# KiCad board motherboard-101.kicad_pcb (continued)
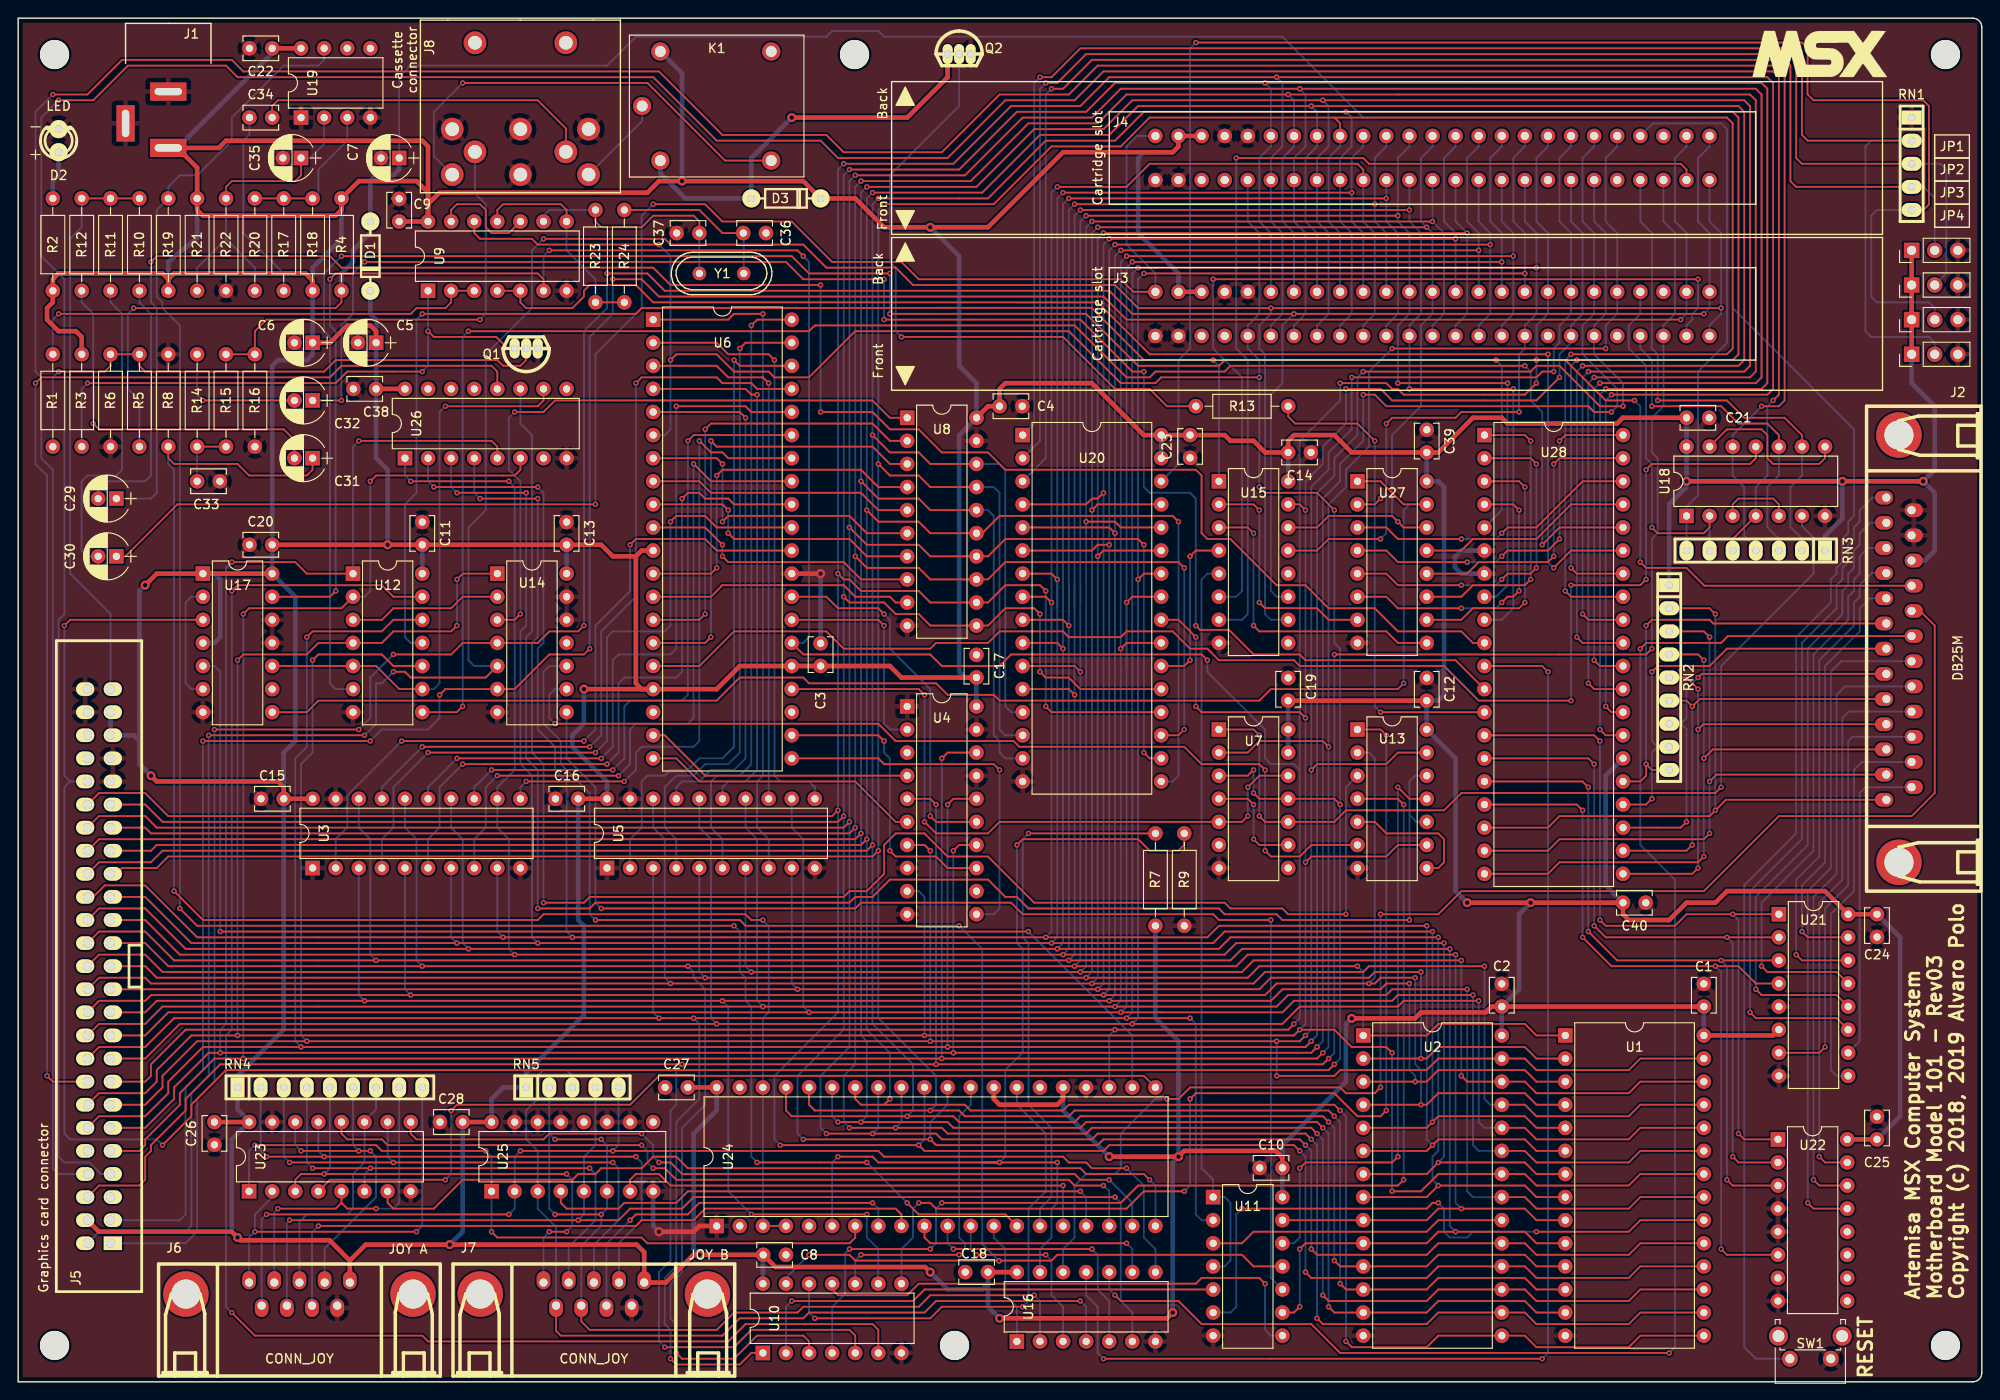
[diagram p0: board, top side]
## Routing (per net, layer and track width the routed paths; a pad name or vN(x,y) marks a point on that pad's centre or on a via; arc(x,y) is an arc through that point) (continued)
  Bottom w0.203: v1(24.77,35.56) v1(24.77,84.45) ; v1(143.51,36.19) 144.14,36.83 144.14,96.52 146.05,98.42 146.05,100.33 148.59,102.87 148.59,111.12 v1(151.13,113.66) ; v1(174.62,113.66) 174.62,116.2 175.89,117.47 J3.9 175.89,126.36 174.62,127.63 174.62,134.62 175.89,135.89 J4.9 ; v1(38.73,99.06) 38.73,87 38.1,86.36 U12.2 ; v1(101.6,68.58) v1(101.6,35.56)
/~{MREQ}: length 362.7
  Top w0.203: v1(102.23,63.5) 102.87,64.13 U4.16 ; v1(31.75,81.91) 32.39,82.55 40,82.55 41.28,83.82 U12.12 ; v1(176.53,107.31) 173.99,107.31 169.55,111.76 167,111.76 166.37,111.12 v1(147.95,111.12) ; v1(142.24,37.47) 141.61,36.83 v1(102.23,36.83) v1(31.11,36.83) 20.32,36.83 16.51,33.02 16.51,31.75 13.97,29.21 8.89,29.21 J5.12
  Bottom w0.203: v1(31.75,81.91) 31.75,69.85 30.48,68.58 30.48,37.47 v1(31.11,36.83) ; v1(142.24,37.47) 142.88,38.1 142.88,97.79 144.78,99.69 144.78,101.6 147.32,104.14 147.32,110.49 v1(147.95,111.12) ; v1(176.53,107.31) 176.53,109.85 173.36,113.03 J3.12 173.36,116.2 174.62,117.47 174.62,126.36 173.36,127.63 J4.12 ; v1(102.23,63.5) v1(102.23,36.83)
/~{PPIRDY}: length 158.4
  Top w0.203: U27.1 149.86,99.06 152.4,96.52 U27.15 ; v1(152.4,76.84) 151.76,76.2 137.8,76.2 136.52,74.93 107.95,74.93 107.32,75.56 102.23,75.56 100.96,76.84 86.99,76.84 86.36,77.47 79.37,77.47 76.83,74.93 33.02,74.93 31.75,73.66 U17.8
  Bottom w0.203: v1(152.4,76.84) 152.4,95.88 153.04,96.52 U27.15
/~{PPIRD}: length 205.2
  Top w0.203: v1(35.56,123.82) 85.09,123.82 86.99,121.92 v1(95.89,121.92) ; v1(95.89,117.47) 113.04,117.48 117.47,117.48 123.19,111.76 132.08,111.76 132.71,112.39 v1(162.56,112.39)
  Bottom w0.203: U12.6 34.92,76.2 34.29,76.84 34.29,114.93 33.66,115.57 33.66,121.92 v1(35.56,123.82) ; U28.5 163.19,95.88 163.19,111.76 v1(162.56,112.39) ; v1(95.89,121.92) v1(95.89,117.47)
/~{PPIWR}: length 195.8
  Top w0.203: v1(48.89,74.29) 48.26,73.66 U12.8 ; U28.36 169.55,93.98 v1(167.64,92.07) ; v1(165.74,111.76) 133.35,111.76 132.71,111.12 125.1,111.12 124.46,110.49 121.92,110.49 116.2,116.2 87.63,116.2 86.99,115.57 v1(49.53,115.57)
  Bottom w0.203: v1(165.74,111.76) 166.37,111.12 166.37,107.95 167.64,106.68 v1(167.64,92.07) ; v1(48.89,74.29) 48.89,114.93 v1(49.53,115.57)
/~{RAMSL0}: length 68.8
  Top w0.203: v1(167,16.51) 177.17,16.51 178.44,17.78 U1.20 ; v1(134.62,19.05) 154.94,19.05 155.57,19.69 v1(156.21,19.69)
  Bottom w0.203: U11.6 133.35,7.62 133.99,8.25 133.99,18.41 v1(134.62,19.05) ; v1(167,16.51) 160.02,16.51 159.38,15.88 157.48,15.88 156.85,16.51 156.85,19.05 v1(156.21,19.69)
/~{RAMSL1}: length 32.8
  Top w0.203: U2.20 156.21,17.78 154.94,16.51 135.89,16.51 134.62,15.24 U11.3
/~{RD}: length 456.3
  Top w0.203: U15.15 140.97,96.52 v1(141.61,95.88) ; U13.9 151.76,59.06 150.5,57.78 142.24,57.78 v1(141.61,57.15) ; v1(48.26,83.19) 47.62,82.55 41.28,82.55 40,81.28 U12.4 33.02,81.28 31.75,80.01 24.77,80.01 v1(24.13,79.38) ; J5.14 8.89,31.75 13.97,31.75 15.24,33.02 15.24,34.29 19.05,38.1 v1(24.13,38.1) v1(99.7,38.1) 140.33,38.1 v1(140.97,38.73) 144.78,38.73 146.69,36.83 150.5,36.83 v1(151.13,36.19) ; v1(151.13,20.95) 154.31,20.95 156.21,22.86 U2.22 165.74,22.86 167,21.59 177.17,21.59 178.44,22.86 U1.22 ; v1(141.61,73.03) 140.97,73.66 130.18,73.66 v1(129.54,74.29) ; v1(129.54,81.91) 127.64,83.82 U20.24 ; v1(169.55,110.49) 167,107.95 151.13,107.95 149.86,109.22 v1(146.05,109.22) ; v1(48.26,88.26) 48.89,88.9 U14.1
  Bottom w0.203: v1(146.05,109.22) 146.05,105.41 143.51,102.87 143.51,100.96 141.61,99.06 v1(141.61,95.88) v1(141.61,73.03) 141.61,39.37 v1(140.97,38.73) ; J4.14 170.81,127.63 172.08,126.36 172.08,117.47 170.81,116.2 J3.14 170.81,114.3 169.55,113.03 v1(169.55,110.49) ; v1(24.13,79.38) v1(24.13,38.1) ; v1(151.13,20.95) v1(151.13,36.19) ; v1(48.26,83.19) v1(48.26,88.26) ; v1(99.7,38.1) 99.7,53.34 99.06,53.97 U4.9 ; v1(129.54,81.91) v1(129.54,74.29)
/~{RESET}: length 535.4
  Top w0.203: v1(167,109.85) 165.74,108.58 152.4,108.58 151.76,109.22 151.13,109.22 150.5,109.85 v1(145.42,109.85) ; v1(58.42,124.46) 85.73,124.46 v1(86.36,123.82) ; J2.22 185.48,87.57 183.51,89.53 179.07,89.53 v1(178.44,90.17) ; v1(34.92,87) 34.29,86.36 U17.13 ; v1(34.29,121.28) 34.92,121.92 57.15,121.92 57.78,121.28 U9.6 ; v1(140.33,39.37) 139.7,38.73 v1(120.65,38.73) 18.42,38.73 14.61,34.92 14.61,33.66 13.97,33.02 J5.15 ; v1(167,112.39) 170.18,112.39 174.62,107.95 v1(177.8,107.95) ; v1(130.81,79.38) 130.18,80.01 109.22,80.01 107.95,78.74 101.6,78.74 100.33,80.01 86.36,80.01 U6.26
  Bottom w0.203: v1(167,109.85) v1(167,112.39) 167,116.2 168.27,117.47 J3.15 168.27,126.36 167,127.63 167,134.62 168.27,135.89 J4.15 ; U24.23 120.02,38.1 v1(120.65,38.73) ; v1(178.44,90.17) 178.44,107.31 v1(177.8,107.95) ; 140.97,67.31 140.97,40 v1(140.33,39.37) ; 140.97,67.31 140.97,103.5 145.42,107.95 v1(145.42,109.85) ; 140.97,67.31 140.33,67.94 137.8,67.94 137.16,68.58 137.16,71.75 130.81,78.1 v1(130.81,79.38) ; v1(34.29,121.28) 34.29,116.2 34.92,115.57 v1(34.92,87) ; U9.6 57.78,123.82 v1(58.42,124.46) ; U6.26 86.36,81.28 86.99,81.91 86.99,123.19 v1(86.36,123.82)
/~{RFSH}: length 367.4
  Top w0.203: v1(144.14,35.56) 143.51,34.92 v1(100.96,34.92) 22.22,34.92 18.42,31.11 18.42,29.84 14.61,26.03 14.61,25.4 13.97,24.76 13.97,22.22 13.33,21.59 8.89,21.59 J5.6 ; v1(100.96,63.5) 100.33,64.13 U4.5 ; v1(71.12,3.81) 78.74,3.81 80.64,5.72 91.44,5.72 92.08,5.08 U10.5 ; v1(179.7,80.64) 179.07,80.01 v1(144.78,80.01)
  Bottom w0.203: v1(73.02,34.92) 72.39,34.29 72.39,30.48 71.76,29.84 71.76,13.34 70.48,12.06 70.48,4.44 v1(71.12,3.81) ; J4.6 180.98,127.63 182.25,126.36 182.25,117.47 180.98,116.2 J3.6 180.98,107.31 179.7,106.04 179.7,102.23 180.34,101.6 180.34,93.34 179.7,92.71 v1(179.7,80.64) ; v1(144.78,80.01) 144.78,36.19 v1(144.14,35.56) ; v1(100.96,63.5) v1(100.96,34.92)
/~{SLTSL0}: length 18.3
  Top w0.203: v1(128.9,79.38) 128.27,78.74 U20.22 ; v1(128.9,90.81) 129.54,91.44 U15.4
  Bottom w0.203: v1(128.9,90.81) v1(128.9,79.38)
/~{SLTSL1}: length 81.3
  Bottom w0.203: U15.5 130.81,88.9 130.18,88.26 130.18,23.5 131.44,22.22 U11.1 132.71,20.32 133.35,19.69 133.35,13.34 132.71,12.7 U11.4
/~{SLTSL2}: length 98.5
  Top w0.203: v1(131.44,121.28) v1(184.79,121.28)
  Bottom w0.203: v1(184.79,121.28) 184.79,118.11 184.15,117.47 184.15,116.84 183.51,116.2 J3.4 ; v1(131.44,121.28) 131.44,113.66 134.62,110.49 134.62,87 133.99,86.36 U15.6
/~{SLTSL3}: length 105.3
  Top w0.203: J4.4 183.51,133.35 182.88,133.99 148.59,133.99 147.95,134.62 v1(133.99,134.62)
  Bottom w0.203: U15.7 134.62,83.82 135.25,84.45 135.25,112.39 133.99,113.66 v1(133.99,134.62)
/~{SLTSLEN}: length 141.8
  Top w0.203: v1(44.45,117.47) 67.94,117.47 68.58,118.11 113.06,118.14 118.08,118.14 123.83,112.39 v1(131.44,112.39)
  Bottom w0.203: U12.11 43.18,81.28 42.55,81.91 42.55,96.52 43.81,97.79 43.81,116.84 v1(44.45,117.47) ; U15.1 132.08,111.76 v1(131.44,112.39)
/~{VDPSL}: length 135.2
  Top w0.203: J5.16 3.81,33.02 v1(3.17,33.66) ; U26.12 52.7,111.12 52.07,111.76 35.56,111.76 34.29,110.49 2.54,110.49 v1(1.91,109.85)
  Bottom w0.203: v1(1.91,109.85) 1.91,100.96 3.17,99.69 v1(3.17,33.66)
/~{WR}: length 405.5
  Top w0.203: v1(141.61,38.1) 140.97,37.47 v1(138.43,37.47) v1(100.33,37.47) v1(31.75,37.47) 19.69,37.47 15.88,33.66 15.88,32.38 13.97,30.48 J5.13 ; v1(142.24,67.31) 142.88,67.94 150.5,67.94 151.76,69.22 U13.13 ; v1(146.69,110.49) 167,110.49 167.64,111.12 v1(168.91,111.12) ; U12.10 41.28,78.74 40,80.01 33.02,80.01 v1(32.39,79.38) ; v1(138.43,33.66) 144.78,33.66 145.42,34.29 154.94,34.29 156.21,35.56 U2.27 165.74,35.56 167,34.29 177.17,34.29 178.44,35.56 U1.27 ; 97.79,59.06 99.7,59.06 v1(100.33,58.42)
  Bottom w0.203: v1(168.91,111.12) 168.91,113.66 169.55,114.3 169.55,116.2 170.81,117.47 J3.13 170.81,126.36 169.55,127.63 169.55,134.62 170.81,135.89 J4.13 ; v1(141.61,38.1) 142.24,38.73 142.24,98.42 144.14,100.33 144.14,102.23 146.69,104.77 v1(146.69,110.49) ; v1(32.39,79.38) 32.39,69.22 31.11,67.94 31.11,38.1 v1(31.75,37.47) ; v1(138.43,33.66) v1(138.43,37.47) ; v1(100.33,37.47) v1(100.33,58.42)
~: length 1471.7
  Top w0.508: C20.1 v2(40.64,92.07) C11.1 C13.1 64.14,92.07 65.41,90.81 67.94,90.81 ; 16.51,121.28 15.87,121.92 4.45,121.92 3.81,121.28 R2.1 3.81,118.74 3.17,118.11 3.17,116.84 4.45,115.57 6.35,115.57 6.98,114.93 R3.1 ; 16.51,121.28 17.14,121.92 31.61,121.92 32.39,121.15 R18.2 ; 16.51,121.28 R19.2 ; C10.1 139.06,24.67 138.33,25.4 128.27,25.4 v2(127.64,24.76) v2(120.02,24.76) ; JP1.1 JP2.1 JP3.1 JP4.1 ; J3.45 J3.47 ; C26.1 U23.16 ; 45.08,129.54 46.36,130.81 69.22,130.81 70.48,132.08 v2(73.02,132.08) 86.36,132.08 D3.2 92.08,130.18 95.25,127 v2(100.33,127) 106.68,127 114.93,135.25 127,135.25 127.64,135.89 J4.47 J4.45 ; 45.08,129.54 45.08,130.81 43.81,132.08 37.47,132.08 R4.1 35.56,128.91 34.92,128.27 20.32,128.27 19.69,128.91 R21.2 19.69,133.56 17.51,135.73 J1.1 22.06,135.73 22.86,136.52 44.45,136.52 45.08,135.89 U9.14 ; 45.08,129.54 U9.14 ; 67.94,90.81 67.94,76.84 68.58,76.2 U6.17 ; 67.94,90.81 68.58,91.44 U6.11 ; 107.95,107.95 107.95,109.22 108.58,109.85 118.11,109.85 123.83,104.14 U20.32 C23.1 132.71,104.14 133.35,103.5 135.89,103.5 137.16,102.23 C14.1 139.7,103.5 140.33,104.14 144.78,104.14 146.69,102.23 C39.1 156.21,102.23 160.02,106.04 163.19,106.04 163.83,105.41 175.86,105.41 176.5,106.04 C21.1 ; 107.32,32.38 107.32,31.11 107.95,30.48 114.3,30.48 114.93,31.11 U24.25 ; C6.1 34.29,114.3 36.19,116.2 38.73,116.2 39.37,115.57 C5.1 ; U6.17 76.83,76.2 79.37,78.74 U6.25 C3.1 95.89,78.74 97.15,77.47 C17.1 ; U6.17 v2(62.23,76.2) ; U1.28 193.04,38.1 U21.6 ; C24.1 U21.16 198.75,53.97 187.96,53.97 186.69,52.7 183.51,52.7 181.61,50.8 177.17,50.8 176.53,51.44 C40.1 v2(166.37,52.7) v2(159.38,52.7) ; C9.1 U9.14 ; U5.20 C16.1 ; v2(14.61,66.67) 15.24,66.04 28.58,66.04 29.21,65.41 C15.1 U3.20 ; J6.5 36.48,13.34 ; 36.48,13.34 38.24,15.09 v2(47.48,15.09) 68.03,15.09 68.86,14.25 J7.5 71.25,10.92 74.3,13.97 v2(74.93,13.97) C8.1 83.3,12.62 99.77,12.62 v2(100.33,12.06) ; 36.48,13.34 34.24,15.57 24.43,15.57 v2(24.13,15.88) 23.48,16.52 8.88,16.52 J5.4 ; C27.1 U24.40 ; C4.1 106.68,107.31 U8.20 ; U16.14 C18.1 ; v2(13.97,87.63) 15.24,88.9 U17.1 U17.14 ; U22.16 C25.1 ; C1.1 C2.1 162.06,41.28 161.43,40.64 154.31,40.64 153.64,39.98 v2(146.69,39.98) ; v2(107.95,6.98) 126.36,6.98 v2(127,7.62) ; C12.1 C19.1 ; C28.1 U25.16 ; C22.1 31.11,146.69 ; v2(183.51,99.06) v2(200.66,99.06) v2(209.55,99.06) ; C38.1 U26.16
  Bottom w0.508: 25.4,28.7 24.13,29.97 RN4.1 24.13,33.66 29.21,38.73 C15.1 29.21,69.22 30.48,70.48 30.48,86.36 U17.14 C20.1 27.94,111.76 28.58,112.39 31.79,112.39 32.39,112.99 C6.1 R18.2 32.39,122.55 35.56,125.73 R4.1 ; U4.20 C17.1 104.14,77.47 103.51,78.1 103.51,104.14 U8.20 105.41,109.85 103.51,111.76 103.51,123.82 v2(100.33,127) ; C28.1 48.89,16.51 v2(47.48,15.09) ; v2(146.69,39.98) 146.05,39.34 146.05,33.02 139.06,26.03 C10.1 U11.14 ; R7.1 125.1,40 127.64,37.47 v2(127.64,24.76) 127,24.13 v2(127,7.62) ; 13.33,70.48 12.7,71.12 J5.45 J5.47 ; 13.33,70.48 13.33,67.94 v2(14.61,66.67) ; 13.33,70.48 13.33,87 v2(13.97,87.63) ; C16.1 61.59,50.8 62.23,50.16 62.23,40.34 55.88,33.99 RN5.1 53.34,32.38 52.07,31.11 U25.16 ; v2(100.33,12.06) 102.23,10.16 106.05,10.16 106.68,10.79 ; C1.1 U1.28 ; JP4.1 208.28,109.85 210.82,107.31 210.82,100.33 v2(209.55,99.06) 210.82,97.79 210.82,91.44 209.72,90.34 J2.23 ; R19.2 16.51,123.19 19.63,125.79 19.69,125.85 R21.2 ; 70.64,146.33 73.02,143.94 v2(73.02,132.08) ; C40.1 174.62,54.61 174.62,66.67 U28.26 ; C13.1 U14.14 ; 38.73,120.02 38.73,117.47 39.37,116.84 C5.1 C38.1 39.37,101.6 40.64,100.33 v2(40.64,92.07) ; J4.47 127.64,135.89 127,135.25 123.83,135.25 123.19,134.62 123.19,126.36 127.64,121.92 J3.47 ; v2(120.02,24.76) 114.93,29.84 U24.25 ; C25.1 207.01,29.21 207.01,48.89 C24.1 ; C14.1 U15.16 ; 106.68,10.79 C18.1 ; 106.68,10.79 106.68,8.25 v2(107.95,6.98) ; U2.28 C2.1 165.1,43.18 165.1,51.44 v2(166.37,52.7) ; C8.1 81.92,13.93 U10.14 ; C11.1 U12.14 ; C21.1 U18.14 v2(183.51,99.06) 183.51,98.42 181.61,96.52 RN2.1 182.25,87.63 ; v2(159.38,52.7) 158.12,53.97 158.12,68.58 U13.14 C12.1 156.21,74.93 156.85,75.56 156.85,98.42 156.21,99.06 U27.16 C39.1 ; U17.4 21.59,81.28 22.22,81.91 22.22,88.26 21.59,88.9 U17.1 ; J1.1 17.51,135.73 27.94,146.16 C22.1 ; U5.20 64.77,66.04 60.96,69.85 60.96,71.12 62.23,72.39 v2(62.23,76.2) ; RN3.1 198.75,93.05 200.66,94.95 v2(200.66,99.06) ; C19.1 U7.13 ; U20.32 U20.31 ; U23.16 23.5,26.67 23.5,16.51 v2(24.13,15.88) ; v2(74.93,13.97) 74.3,14.6 74.3,27.31 76.83,29.84 U24.40
Net-(C7-Pad1): length 371.4
  Top w0.203: v1(12.7,118.11) 34.92,118.11 35.56,118.74 R4.2
  Bottom w0.203: C7.1 41.91,143.51 43.18,144.78 64.77,144.78 67.94,147.95 88.9,147.95 89.54,148.59 94.61,148.59 95.25,147.95 139.06,147.95 147.95,139.06 187.96,139.06 188.6,138.43 188.6,118.11 201.93,104.77 201.93,95.25 201.29,94.61 201.29,93.34 200.66,92.71 200.66,90.17 200.02,89.53 200.02,88.9 199.39,88.26 199.39,85.72 195.58,81.91 195.58,60.32 189.87,54.61 189.87,3.81 191.13,2.54 SW1.2 ; v1(12.7,118.11) 12.06,117.47 12.06,109.22 13.33,107.95 R5.2
  Bottom w0.508: C7.1 41.91,133.35 41.28,132.71 39.37,132.71 38.73,132.08 38.73,126.36 36.83,124.46 36.83,123.19 35.56,121.92 R4.2
Net-(C29-Pad2): length 28.4
  Bottom w0.203: R10.1 13.33,118.74 14.61,117.47 14.61,99.69 13.97,99.06 9.57,99.06 8.8,98.29 C29.2
Net-(C30-Pad2): length 34.9
  Bottom w0.203: R11.1 10.16,118.74 11.43,117.47 11.43,100.33 10.8,99.69 7.62,99.69 6.98,99.06 6.98,91.44 7.62,90.81 C30.2
Net-(C31-Pad1): length 172
  Top w0.203: R8.1 16.51,101.6 17.14,100.96 24.13,100.96 25.4,99.69 31.75,99.69 32.39,100.33 C31.1 ; v1(81.92,50.8) 80.64,50.8 80.01,51.44 57.78,51.44 57.15,50.8 20.32,50.8 v1(17.14,53.97) ; U24.3 U24.4
  Bottom w0.203: v1(81.92,50.8) 82.55,50.16 82.55,40.64 81.92,40 U24.38 U24.3 ; v1(17.14,53.97) 17.14,100.33 16.51,100.96 R8.1
Net-(C31-Pad2): length 40
  Top w0.203: v1(8.25,105.41) 8.89,104.77 29.21,104.77 30.39,103.6 C31.2
  Bottom w0.203: v1(8.25,105.41) 8.25,117.47 6.98,118.74 R12.1
Net-(C32-Pad2): length 15.4
  Top w0.203: v1(20.32,107.95) C32.2
  Bottom w0.203: v1(20.32,107.95) 19.69,108.58 R14.2
Net-(C33-Pad1): length 7
  Top w0.203: R14.1 R15.2
  Bottom w0.203: R14.1 C33.1
Net-(C34-Pad1): length 21.2
  Bottom w0.203: C34.1 25.44,137.2 24.77,136.52 24.77,126.36 29.21,121.92 R17.1
Net-(C34-Pad2): length 37.7
  Top w0.203: J8.5 60.25,137.88 57.15,140.97 28.58,140.97 27.94,140.33 C34.2
Net-(C35-Pad1): length 36.5
  Top w0.203: C35.1 31.11,132.71 30.48,132.08 23.5,132.08 22.86,131.44 R22.2
  Bottom w0.203: 22.86,125.73 19.69,122.55 R21.1 ; 22.86,125.73 R22.2 ; 22.86,125.73 26.03,122.55 R20.2 ; C35.1 32.12,134.62 33.66,136.16 U19.2
Net-(C36-Pad1): length 26.1
  Top w0.203: C36.1 74.93,127.63 74.3,128.27 69.85,128.27 68.58,127 64.14,127 63.5,127.63 R23.1
  Bottom w0.203: C36.1 Y1.1 ; U9.9 57.78,128.27 58.42,128.91 R23.1
Net-(C37-Pad1): length 18.6
  Top w0.203: C37.1 77.47,126.36 74.93,128.91 R24.1
  Bottom w0.203: Y1.2 79.81,126.31 C37.1
Net-(D2-Pad1): length 5.3
  Bottom w0.508: R2.2 3.81,132.08 4.45,132.71 D2.1
Net-(D3-Pad1): length 44.8
  Top w0.508: v2(85.09,139.06) 97.79,139.06 102.23,143.51 Q2.3
  Bottom w0.508: v2(85.09,139.06) 80.64,134.62 D3.1 73.38,130.18 70.64,132.92 70.64,134.33
Net-(J8-Pad4): length 50.2
  Top w0.203: R15.1 R16.2 26.03,115.57 27.3,116.84 v1(50.8,116.84)
  Bottom w0.203: J8.4 50.25,130.73 51.44,129.54 51.44,117.47 v1(50.8,116.84)
Net-(J8-Pad6): length 49.7
  Top w0.203: v1(48.89,142.88) 69.22,142.88 77.76,134.33 K1.4
  Bottom w0.203: J8.6 45.72,134.82 45.72,139.7 v1(48.89,142.88)
Net-(J8-Pad7): length 10
  Bottom w0.203: 68.64,140.33 68.64,138.69 J8.7
Net-(JP1-Pad2): length 162.5
  Top w0.203: v1(113.67,142.24) 114.93,142.24 118.11,145.41 194.31,145.41 194.94,144.78 194.94,132.08 195.58,131.44 RN1.4
  Bottom w0.203: v1(113.67,142.24) 113.03,141.6 113.03,101.6 U20.3 ; RN1.4 209.58,131.44 210.82,130.21 JP1.2
Net-(JP2-Pad2): length 167.5
  Top w0.203: v1(113.03,142.88) 114.3,142.88 117.48,146.05 194.94,146.05 195.58,145.41 195.58,134.62 196.21,133.99 RN1.3
  Bottom w0.203: JP2.2 212.09,121.92 212.09,133.35 211.45,133.99 RN1.3 ; U20.2 112.39,103.5 112.39,142.24 v1(113.03,142.88)
Net-(JP3-Pad2): length 171.7
  Top w0.203: v1(129.54,147.32) 196.21,147.32 196.85,146.69 196.82,141.63 197.49,140.97 209.55,140.97 210.19,140.33 210.19,129.51 209.58,128.91 RN1.5
  Bottom w0.203: RN1.5 204.47,128.91 203.83,128.27 203.83,119.38 204.47,118.74 210.19,118.74 210.82,118.11 JP3.2 ; U20.30 127.64,100.96 127.64,112.39 128.9,113.66 128.9,146.69 v1(129.54,147.32)
Net-(JP4-Pad2): length 181.9
  Top w0.203: v1(112.39,143.51) 113.67,143.51 116.84,146.69 195.58,146.69 196.21,146.05 196.21,137.16 196.85,136.52 208.28,136.52
  Bottom w0.203: 208.28,136.52 203.83,136.52 203.2,135.89 203.2,115.57 203.83,114.93 210.19,114.93 210.82,114.3 JP4.2 ; v1(112.39,143.51) 111.76,142.88 111.76,105.41 U20.1
Net-(Q1-Pad1): length 64.1
  Top w0.203: Q1.1 53.86,113.66 52.59,114.93 45.72,114.93 v1(45.08,115.57) ; v1(44.45,111.12) 36.19,111.12 34.92,109.85 v1(7.62,109.85)
  Bottom w0.203: v1(44.45,111.12) 45.08,111.76 v1(45.08,115.57) U9.1 ; v1(7.62,109.85) 6.98,109.22 R3.2
Net-(Q1-Pad2): length 65.3
  Top w0.203: v1(4.45,111.12) 9.53,111.12 10.16,111.76 R6.1 R5.1 13.33,111.76 13.97,111.12 33.66,111.12 34.92,112.39 52.7,112.39 53.34,111.76 55.25,111.76 55.88,112.39 Q1.2
  Bottom w0.203: R1.2 3.81,110.49 v1(4.45,111.12)
Net-(Q2-Pad2): length 70.3
  Top w0.203: R13.1 126.36,107.31 124.46,109.22 120.65,109.22 114.93,114.93 v1(97.15,114.93)
  Bottom w0.203: Q2.2 103.51,140.33 95.89,132.71 95.89,123.19 96.52,122.55 96.52,115.57 v1(97.15,114.93)
Net-(R1-Pad1): length 52.2
  Top w0.203: U9.3 U9.2 47.62,118.74 46.99,118.11 43.81,118.11 43.18,117.47 v1(4.45,117.47)
  Bottom w0.203: v1(4.45,117.47) 3.81,116.84 R1.1
Net-(R7-Pad2): length 59.3
  Top w0.203: v1(111.12,60.32) R7.2
  Bottom w0.203: v1(111.12,60.32) 110.49,59.69 110.49,48.89 111.12,48.26 111.12,30.48 113.67,27.94 113.67,20.32 112.39,19.05 U24.15
Net-(R17-Pad2): length 16.6
  Top w0.203: R20.1 R17.2 R18.1
  Bottom w0.203: 33.02,130.18 33.02,133.35 36.19,136.52 U19.3
Net-(R23-Pad2): length 24.1
  Top w0.203: U9.8 60.33,128.91 59.69,129.54 53.34,129.54 52.7,128.91 U9.11 ; 63.5,118.74 66.67,118.74
  Bottom w0.203: U9.8 60.33,124.46 63.5,121.28 63.5,118.74
Net-(U4-Pad2): length 24
  Top w0.203: v1(95.25,83.19) 94.61,83.82 U6.27
  Bottom w0.203: v1(95.25,83.19) 95.25,72.39 95.89,71.75 U4.2
Net-(U4-Pad4): length 29.8
  Top w0.203: U6.19 71.12,71.12 75.57,66.67 U4.4
Net-(U4-Pad6): length 30.8
  Top w0.203: U4.6 96.52,61.59 92.08,66.04 74.93,66.04 72.39,68.58 U6.20
Net-(U4-Pad11): length 41.4
  Top w0.203: U6.21 94.61,68.58 95.25,67.94 107.32,67.94 v1(107.95,67.31)
  Bottom w0.203: 105.41,51.44 107.32,51.44 107.95,52.07 v1(107.95,67.31)
Net-(U4-Pad13): length 33.1
  Top w0.203: U4.13 102.23,56.51 100.96,57.78 96.52,57.78 v1(95.89,58.42) ; U6.22 94.61,71.12 v1(95.25,70.48)
  Bottom w0.203: v1(95.89,58.42) 95.89,68.58 95.25,69.22 v1(95.25,70.48)
Net-(U4-Pad15): length 40.6
  Top w0.203: v1(100.33,62.23) 100.96,61.59 U4.15 ; v1(95.25,84.45) 94.61,85.09 90.17,85.09 88.9,86.36 U6.28
  Bottom w0.203: v1(95.25,84.45) 95.89,83.82 95.89,80.64 100.33,76.2 v1(100.33,62.23)
Net-(U6-Pad24): length 73.9
  Top w0.203: v1(135.25,65.41) 136.52,66.67 U7.12 ; U6.24 99.06,76.2 v1(99.7,75.56) ; v1(99.7,61.59) 100.96,60.32 106.68,60.32 107.95,61.59 U7.5 134.62,61.59 v1(135.25,62.23)
  Bottom w0.203: v1(135.25,65.41) v1(135.25,62.23) ; v1(99.7,75.56) v1(99.7,61.59)
Net-(U7-Pad4): length 12
  Top w0.203: v1(135.89,63.5) 135.25,64.13 U7.4 ; v1(135.89,59.69) 136.52,59.06 U7.9
  Bottom w0.203: v1(135.89,59.69) v1(135.89,63.5)
Net-(U9-Pad10): length 12.1
  Top w0.203: U9.10 53.97,126.36 52.07,126.36 51.44,127 51.44,128.91 50.8,129.54 48.26,129.54 47.62,128.91 U9.13
Net-(U10-Pad2): length 52.9
  Top w0.203: U11.5 99.7,10.16 98.42,8.89 v1(85.09,8.89)
  Bottom w0.203: v1(85.09,8.89) 84.45,8.25 U10.2
Net-(U10-Pad4): length 125.2
  Top w0.203: U13.4 151.76,64.13 v1(152.4,63.5) ; v1(152.4,22.22) 151.76,21.59 123.19,21.59 121.29,19.69 v1(101.6,19.69) ; v1(91.44,14.6) v1(100.33,14.6)
  Bottom w0.203: v1(152.4,22.22) v1(152.4,63.5) ; v1(101.6,19.69) 100.96,19.05 100.96,15.24 v1(100.33,14.6) ; v1(91.44,14.6) 90.97,14.14 90.97,9.69 89.54,8.25 U10.4
Net-(U10-Pad6): length 177.7
  Top w0.203: v1(23.5,87) 24.13,87.63 40,87.63 41.28,86.36 U12.13 ; U10.6 94.61,5.72 93.98,6.35 80.01,6.35 78.11,4.44 45.08,4.44 44.45,5.08 26.03,5.08 v1(23.5,7.62)
  Bottom w0.203: v1(23.5,87) 23.5,38.73 22.86,38.1 22.86,8.25 v1(23.5,7.62)
Net-(U10-Pad8): length 118.2
  Top w0.203: v1(150.5,71.12) 149.86,71.75 U13.1 ; v1(99.06,19.69) 100.33,19.69 100.96,19.05 121.92,19.05 123.83,20.95 v1(128.27,20.95) ; v1(150.5,29.84) 149.86,29.21 147.32,29.21 144.78,31.75 129.54,31.75 v1(128.9,31.11)
  Bottom w0.203: v1(150.5,71.12) v1(150.5,29.84) ; U10.8 97.15,14.6 98.42,15.88 98.42,19.05 v1(99.06,19.69) ; v1(128.9,31.11) 128.9,21.59 v1(128.27,20.95)
Net-(U10-Pad11): length 56.8
  Top w0.203: U10.11 89.54,10.16 90.17,9.53 97.79,9.53 99.06,10.79 129.54,10.79 130.18,11.43 136.52,11.43 v1(137.16,10.79)
  Bottom w0.203: v1(137.16,10.79) 137.16,5.72 137.8,5.08 U11.8
Net-(U11-Pad10): length 139
  Top w0.203: v1(64.14,52.07) 92.08,52.07 92.71,52.7 109.22,52.7 110.49,51.44 131.44,51.44 132.08,50.8 v1(137.8,50.8)
  Bottom w0.203: U14.8 60.33,68.58 63.5,65.41 63.5,52.7 v1(64.14,52.07) ; v1(137.8,50.8) 137.8,11.43 U11.10
Net-(U12-Pad3): length 16.9
  Top w0.203: U14.2 48.89,86.36 47.62,85.09 41.28,85.09 40,83.82 U12.3
Net-(U13-Pad3): length 169
  Top w0.203: v1(146.05,51.44) 139.7,51.44 139.06,52.07 133.35,52.07 132.71,52.7 111.76,52.7 106.68,57.78 102.23,57.78 99.7,60.32 96.52,60.32 95.25,59.06 95.25,55.88 93.35,53.97 91.44,53.97 90.8,53.34 62.86,53.34 62.23,52.7 v1(57.78,52.7) ; v1(57.15,97.16) v1(50.8,97.16)
  Bottom w0.203: U13.3 146.05,65.41 v1(146.05,51.44) ; v1(57.15,97.16) 57.15,81.91 56.52,81.28 56.52,69.22 57.78,67.94 v1(57.78,52.7) ; U26.4 50.17,97.79 v1(50.8,97.16)
Net-(U13-Pad6): length 105.7
  Top w0.203: v1(137.16,58.42) 137.8,57.78 140.97,57.78 142.24,59.06 U13.6 ; v1(137.16,67.31) 136.52,67.94 130.18,67.94 128.27,69.85 110.12,69.85 109.49,70.48 96.52,70.48 94.61,72.39 v1(59.05,72.39)
  Bottom w0.203: v1(59.05,72.39) 58.42,73.03 58.42,75.56 59.05,76.2 U14.9 ; v1(137.16,58.42) v1(137.16,67.31)
Net-(U15-Pad2): length 26.4
  Top w0.203: U15.2 135.89,96.52 v1(136.52,95.88) ; U27.7 144.14,83.82 142.88,85.09 137.13,85.12 v1(136.52,85.72)
  Bottom w0.203: v1(136.52,95.88) v1(136.52,85.72)
Net-(U15-Pad3): length 34.1
  Top w0.203: U27.9 151.76,81.28 150.5,82.55 136.52,82.55 v1(135.89,83.19) ; v1(135.89,93.34) 135.25,93.98 U15.3
  Bottom w0.203: v1(135.89,83.19) v1(135.89,93.34)
Net-(U17-Pad2): length 13.2
  Bottom w0.203: U17.2 19.05,86.36 18.42,85.72 18.42,76.84 19.05,76.2 U17.6
Net-(U18-Pad3): length 8.1
  Top w0.203: U18.5 193.68,96.52 193.04,97.16 189.23,97.16 188.6,96.52 U18.3
Net-(U18-Pad13): length 18.7
  Top w0.203: U18.8 198.75,101.6 198.12,100.96 193.04,100.96 192.4,101.6 192.4,104.14 191.77,104.77 187.96,104.77 U18.13 186.06,102.23

## Copper pours and planes (outline as drawn; the poured copper is in the pictures)
GND on Top: 0.5,0.5 0.5,149.5 215.5,149.5 215.5,0.5
GND on Bottom: 0.5,0.5 0.5,149.5 215.5,149.5 215.5,0.5

## Text on the board
F.Silkscreen: JOY A | JOY B | Cassette / connector | Graphics card connector | Artemisa MSX Computer System / Motherboard Model 101 - Rev03 / Copyright (c) 2018, 2019 Alvaro Polo | RESET
